# Altium PCB PiMX8MPIO_r0.1.PcbDoc (part 1 of 5) (continued)
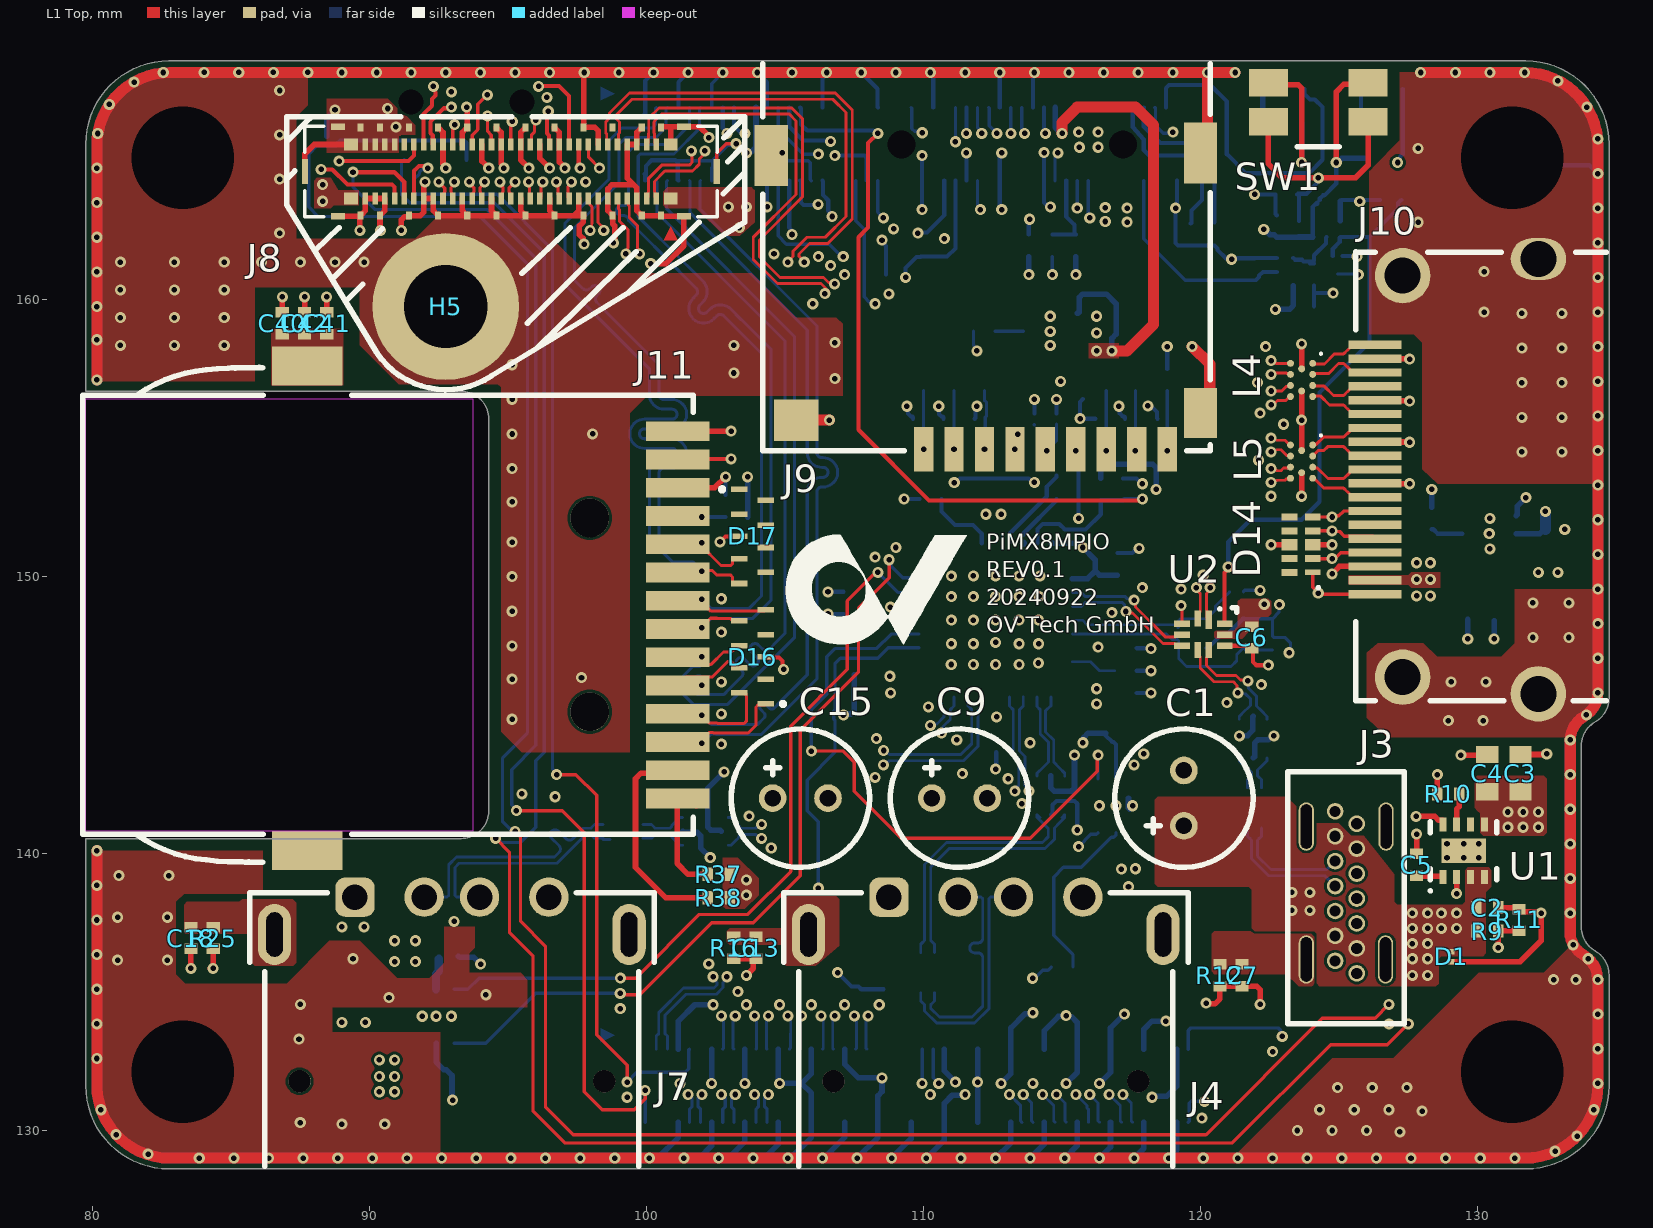
[diagram p0: L1 Top view]
## Footprints (in the part's own frame and the unit in brackets; to place one, negate y for a bottom-side part, rotate by r counter-clockwise, add the part's x,y. Pads: shape width x height; smd on the part's side, far side on the other; paste and mask are expansions set on the pad) (continued)
  L1 Top region: -10.9,-1.825 -11.4,-1.575 -11.4,-2.075
  body extent -11.3,-1.69 11.3,1.69, height 2.9
CAP_RADIAL_5X8MM [mm] "Radial_5x8mm"
  round 1 hole 0.6: 1(-1,0) 2(1,0)
  silkscreen extent -2.5,-2.5 2.5,2.5, body extent -2.74,-2.75 2.74,2.75, height 9.01
CAPC0603X03L [mm] "Chip Capacitor, 2-Leads, Body 0,60x0,30mm, IPC High Density"
  rect 0.27x0.3 smd paste-0.5: 1(-0.25,0) 2(0.25,0)
  body extent -0.3,-0.15 0.3,0.15, height 0.3
CAPC1005X06L [mm] "Chip Capacitor, 2-Leads, Body 1,00x0,50mm, IPC High Density"
  rect 0.38x0.48 smd: 1(-0.395,0) 2(0.395,0)
  body extent -0.5,-0.25 0.5,0.25, height 0.5
CAPC1608X10L [mm] "Chip Capacitor, 2-Leads, Body 1,60x0,80mm, IPC High Density"
  rect 0.63x0.8 smd: 1(-0.675,0) 2(0.675,0)
  body extent -0.8,-0.45 0.8,0.45, height 0.8
DFN36P62X33-2L [mm] "DFN, 2-Leads, Body 0,32x0,62mm, Pitch 0,36mm, IPC High Density"
  rect 0.2x0.25 smd paste-2539.97: 1(-0.178,0) 2(0.178,0)
  body extent -0.33,-0.18 0.33,0.18, height 0.33
DFN38P60X29-2L [mm] "DFN, 2-Leads, Body 0,30x0,60mm, Pitch 0,38mm, IPC High Density"
  rect 0.2x0.3 smd paste-2539.97 mask+0.05: 1(-0.19,0) 2(0.19,0)
  silkscreen extent -0.25,0.4 -0.15,0.5, body extent -0.31,-0.16 0.3,0.15, height 0.29
DFN65P100X50-2N [mm] "DFN, 2-Leads, Body 0,60x1,00mm, Pitch 0,65mm, IPC Medium Density"
  rect 0.4x0.7 smd: 1(-0.35,0) 2(0.35,0)
  silkscreen extent -0.55,0.65 -0.45,0.75, body extent -0.5,-0.3 0.5,0.3, height 0.5
DFN65P100X50-3L [mm] "DFN, 3-Leads, Body 0,60x1,00mm, Pitch 0,65mm, IPC High Density"
  rect 0.25x0.15 smd paste-2539.97 mask+0.05: 1(-0.325,0.175) 2(-0.325,-0.175)
  rect 0.25x0.5 smd paste-2539.97 mask+0.05: 3(0.325,0)
  silkscreen extent -0.57,0.67 -0.48,0.77, body extent -0.5,-0.3 0.5,0.3, height 0.38
ETH-RJ45-7498111120AR [mm] "LAN Transformer, body 21.84x15.65mm"
  rect 0.71x2.29 smd: 1(6.63,10.14) 2(5.61,10.14) 3(4.59,10.14) 4(3.57,10.14) 5(2.55,10.14) 6(1.53,10.14) 7(0.51,10.14) 8(-0.51,10.14) 9(-1.53,10.14) 10(-2.55,10.14) 11(-3.57,10.14) 12(-4.59,10.14) 13(-5.61,10.14) 14(-6.63,10.14)
  round 1.4 hole 1.4 unplated: MH1(-3.5,6.96) MH2(3.5,6.96)
  rect 1.4x2.54 smd: Shell(-8.984,-3.24) Shell(8.51,-3.24)
  Keep-Out Layer board cut-out: -7.81,-11.24 -7.81,2.73 7.81,2.73 7.81,-11.24
  silkscreen extent -8.93,-11.34 8.93,10.7, body extent -9.07,-11.24 9.07,11.24, height 10.1
"FSUSB42_UQFN10 1.4X1.8, 0.4P" [mm] "QFN, 10-Leads, Body 1,40x1,80mm, Pitch 0,40mm, IPC Low Density"
  rect 0.663x0.225 smd: 1(-0.537,0.2)
  rect 0.563x0.225 smd: 2(-0.587,-0.2) 6(0.55,0.2) 7(0.55,-0.2)
  rect 0.225x0.563 smd: 3(-0.4,-0.768) 4(0,-0.768) 5(0.4,-0.768) 8(0.4,0.768) 9(0,0.768) 10(-0.4,0.768)
  silkscreen extent -0.98,0.55 -0.82,1.2, body extent -0.77,-0.98 0.77,0.98, height 0.51
HDMI-1.4_SS-53000-001 [mm] "High Definition Multi Media Interface Connector"
  rect 0.3x1.9 smd: 1(4.75,4.25) 1(4.75,4.25) 1(4.75,4.25) 2(4.25,4.25) 3(3.75,4.25) 4(3.25,4.25) 5(2.75,4.25) 6(2.25,4.25) 7(1.75,4.25) 8(1.25,4.25) 9(0.75,4.25) 10(0.25,4.25) 11(-0.25,4.25) 12(-0.75,4.25) 13(-1.25,4.25) 14(-1.75,4.25) 15(-2.25,4.25) 16(-2.75,4.25) 17(-3.25,4.25) 18(-3.75,4.25) 19(-4.25,4.25)
  round 2 hole 1.3: SHD(-7.85,-1.65) SHD(-7.25,3.25) SHD(7.25,3.25)
  oval 1.5x2 hole 1.3: SHD(7.85,-1.65)
  silkscreen extent -8.1,-4.1 8.11,4.95, body extent -8.1,-5.17 8.1,4.93, height 6.18
"LED 0605_LTST-S270KRKT" [mm] "LED Side Mount 0605"
  rect 0.6x0.95 smd: 1(-0.8,0.05) 2(0.75,0.05)
  body extent -0.82,-0.23 0.83,0.98, height 0.6
"MICROSD CONNECTOR_MSD-4-A" [mm] "Micro SD Card Connector, 9 Positions, Connector and Ejector, Push In, Auto Eject Out, Surface Mount, 1.8 mm Height Above Board, Gold Flash"
  rect 0.7x1.6 smd: 1(2.25,5.5) 2(1.15,5.5) 3(0.05,5.5) 4(-1.05,5.5) 5(-2.15,5.5) 6(-3.25,5.5) 7(-4.35,5.5) 8(-5.45,5.5) 9(-6.55,5.5)
  rect 1.2x1.8 smd: 10(-7.75,4.2)
  rect 1.6x1.5 smd: 11(6.85,4.45)
  rect 1.2x2.2 smd: 12(-7.75,-5.2) 13(7.75,-5.1)
  round 0 hole 1: 19(-4.95,-5.5) 19(3.05,-5.5)
  silkscreen extent -8.1,-8.42 8.05,5.55, body extent -8.09,-9.5 8.06,5.55, height 1.86
NEXPERIA_PCMF2HDMI2S [mm] "Common-mode EMI filter for differential channels with ESD protection"
  round 0.25 smd: A1(-0.6,0.4) A2(-0.2,0.4) A3(0.2,0.4) A4(0.6,0.4) B1(-0.4,0) B2(0.4,0) C1(-0.6,-0.4) C2(-0.2,-0.4) C3(0.2,-0.4) C4(0.6,-0.4)
  silkscreen extent -0.97,0.67 -0.92,0.72, body extent -0.79,-0.59 0.78,0.58, height 0.6
PSON50P100X50-8L [mm] "PSON, 8-Leads, Body 1,95x1,00mm, Pitch 0,50mm, IPC High Density"
  rect 0.3x0.2 smd: 1(-0.29,0.75) 2(-0.29,0.25) 3(-0.29,-0.25) 4(-0.29,-0.75) 5(0.29,-0.75) 6(0.29,-0.25) 7(0.29,0.25) 8(0.29,0.75)
  body extent -0.53,-1 0.53,1, height 0.5
PSON50P140X100X50-6L [mm] "PSON, 6-Leads, Body 1,00x1,45mm, Pitch 0,50mm, IPC High Density"
  rect 0.4x0.3 smd: 1(-0.3,0.5) 2(-0.3,0) 3(-0.3,-0.5) 4(0.3,-0.5) 5(0.3,0) 6(0.3,0.5)
  silkscreen extent -0.5,0.95 -0.4,1.05, body extent -0.5,-0.72 0.5,0.72, height 0.46
QFN50P600X600X100_HS-37M [mm] "QFN, 36-Leads, Body 6,00x6,00mm, Pitch 0,50mm, Thermal Pad 3,70x3,70mm, IPC Low Density"
  oval 0.9x0.28 smd: 1(-2.775,2) 2(-2.775,1.5) 3(-2.775,1) 4(-2.775,0.5) 5(-2.775,0) 6(-2.775,-0.5) 7(-2.775,-1) 8(-2.775,-1.5) 9(-2.775,-2) 19(2.775,-2) 20(2.775,-1.5) 21(2.775,-1) 22(2.775,-0.5) 23(2.775,0) 24(2.775,0.5) 25(2.775,1) 26(2.775,1.5) 27(2.775,2)
  oval 0.28x0.9 smd: 10(-2,-2.775) 11(-1.5,-2.775) 12(-1,-2.775) 13(-0.5,-2.775) 14(0,-2.775) 15(0.5,-2.775) 16(1,-2.775) 17(1.5,-2.775) 18(2,-2.775) 28(2,2.775) 29(1.5,2.775) 30(1,2.775) 31(0.5,2.775) 32(0,2.775) 33(-0.5,2.775) 34(-1,2.775) 35(-1.5,2.775) 36(-2,2.775)
  rect 3.7x3.7 smd paste-10: 37(0,0)
  silkscreen extent -3.97,-3.2 3.2,3.2, body extent -3.1,-3.1 3.1,3.1, height 1
RESC0603X03L [mm] "Chip Resistor, 2-Leads, Body 0,60x0,30mm, IPC High Density"
  rect 0.27x0.3 smd paste-0.5: 1(-0.25,0) 2(0.25,0)
  body extent -0.3,-0.15 0.3,0.15, height 0.26
RESC1005X04L [mm] "Chip Resistor, 2-Leads, Body 1,00x0,53mm, IPC High Density"
  rect 0.38x0.48 smd: 1(-0.395,0) 2(0.395,0)
  body extent -0.53,-0.27 0.52,0.28, height 0.4
RESC1608X04L [mm] "Chip Resistor, 2-Leads, Body 1,60x0,80mm, IPC High Density"
  rect 0.6x0.8 smd: 1(-0.7,0) 2(0.7,0)
  silkscreen extent -0.1,-0.3 0.1,0.3, body extent -0.8,-0.4 0.8,0.4, height 0.45
SON50P200X80_HS-9N [mm] "SON, 8-Leads, Body 2,00x2,00mm, Pitch 0,50mm, Thermal Pad 1,60x0,69mm, IPC Medium Density"
  rect 0.5x0.25 smd: 1(-0.95,0.75) 2(-0.95,0.25) 3(-0.95,-0.25) 4(-0.95,-0.75) 5(0.95,-0.75) 6(0.95,-0.25) 7(0.95,0.25) 8(0.95,0.75)
  rect 0.9x1.6 smd paste-1: 9(0,0)
  silkscreen extent -1.5,-1.2 1.05,1.25, body extent -1,-1 1,1, height 0.77
SON65P200X80_HS-7N [mm] "SON, 6-Leads, Body 2,00x2,00mm, Pitch 0,65mm, Thermal Pad 1,60x0,69mm, IPC Medium Density"
  rect 0.45x0.3 smd: 1(-0.975,0.65) 2(-0.975,0) 3(-0.975,-0.65) 4(0.975,-0.65) 5(0.975,0) 6(0.975,0.65)
  rect 1x1.6 smd paste-1: 7(0,0)
  silkscreen extent -1.5,-1.2 1.05,1.25, body extent -1.05,-1.05 1.05,1.05, height 0.8
Spacer_SMD_M2x1_9774010243R [mm] "Würth Elektronik SMD Spacer M2 internal thread 6mm length"
  round 5.3 hole 3: MT(0,0)
  body extent -2.18,-2.16 2.17,2.16, height 1
Spacer_SMD_Ø2.7mmx3mm_9774030951#1 [mm] "SMT Steel Spacer Internal hole diameter 2.7mm non stop, height 3mm"
  round 6 / inner round 0 / far side round 0 hole 3.7 unplated: MT(0,0)
  body extent -2.55,-2.55 2.55,2.55, height 3
Spacer_SMD_Ø2.7mmx3mm_9774030951#2 [mm] "SMT Steel Spacer Internal hole diameter 2.7mm non stop, height 3mm"
  round 5.5 / inner round 0 / far side round 0 hole 3.7 unplated: MT(0,0)
  body extent -2.55,-2.55 2.55,2.55, height 3
SW_SLIDE-SWITCH_JS102000SAQN [mm]
  rect 0.8x0.8 smd: 1(-2.25,1.9) 2(0,1.9) 3(2.25,1.9)
  round 0 hole 0.9 unplated: 22(-2,-0.18) 22(2,-0.18)
  rect 1x1 smd: MT(-3.75,0) MT(3.75,0)
  silkscreen extent -3.9,-1.4 3.9,1.95, body extent -3.91,-2.87 3.91,1.94, height 0.8
SW_TACT_EVQ-P7J01P [mm] "Tactile Switch EVQ-P7J01P SMD"
  rect 1.4x1 smd: 1(-1.8,0.7) 1(1.8,0.7) 2(-1.8,-0.7) 2(1.8,-0.7)
  silkscreen extent -0.75,1.6 0.75,1.6, body extent -2.35,-2.1 2.35,1.59, height 1.35
TI_DQA_10_Pin [mm] "QFN, 10-Leads, Body 2,50x1,00mm, Pitch 0,50mm, IPC High Density"
  rect 0.2x0.565 smd: 1(-1,-0.4)
  rect 0.25x0.565 smd: 2(-0.5,-0.4) 4(0.5,-0.4) 5(1,-0.4) 6(1,0.435) 7(0.5,0.435) 9(-0.5,0.435) 10(-1,0.435)
  rect 0.4x0.565 smd: 3(0,-0.4) 8(0,0.435)
  silkscreen extent -1.6,-0.65 -1.5,-0.55, body extent -1.25,-0.5 1.25,0.5, height 0.55
"USB Type A - 614104190121" [mm] "USB 2.0 Type A Horizontal THT Short Type"
  rrect50% 1.42x1.42 hole 0.92: 1(-3.5,4.85)
  round 1.42 hole 0.92: 2(-1,4.85) 3(1,4.85) 4(3.5,4.85)
  round 0.8 hole 0.8 unplated: MH1(-5.5,-1.8) MH2(5.5,-1.8)
  oval 1.2x2.2 hole 0.6 slot 1.6 at 90 deg: Shell(-6.4,3.5) Shell(6.4,3.5)
  silkscreen extent -7.3,-4.86 7.3,5, body extent -7.3,-5 7.3,5, height 5.8
"USB TYPE C - 10151348-00011LF" [mm] "USB Type-C Connector"
  round 0.6 hole 0.4: A1(-0.39,-2.475) A4(-0.39,-1.575) A5(-0.39,-0.675) A6(-0.39,0.225) A7(-0.39,1.125) A9(-0.39,2.025) A12(-0.39,2.925) B1(0.39,2.475) B4(0.39,1.575) B5(0.39,0.675) B6(0.39,-0.225) B7(0.39,-1.125) B9(0.39,-2.025) B12(0.39,-2.925)
  oval 0.55x1.75 hole 0.4 slot 1.6 at 90 deg: SHD(-1.43,-2.425) SHD(-1.43,2.375) SHD(1.43,-2.425) SHD(1.45,2.375)
  silkscreen extent -2.1,-4.75 2.1,4.35, body extent -1.88,-10.53 1.88,4.12, height 9.05
WE-CNSW_0603 [mm] "SMT Common Mode Line Filter, 4-leads, body 1.60x0.85mm"
  rect 0.85x0.25 smd: 1(-0.725,0.25) 2(0.725,0.25) 3(0.725,-0.25) 4(-0.725,-0.25)
  body extent -0.8,-0.42 0.8,0.43, height 1.1
WE-TVS_DFN3810-9L [mm] "TVS Diode, package DFN3810-9L"
  rect 0.2x0.6 smd: 1(-1.7,-0.475) 2(-0.8,-0.475) 3(0,-0.475) 4(0.8,-0.475) 5(1.7,-0.475) 6(1.3,0.475) 7(0.4,0.475) 8(-0.4,0.475) 9(-1.3,0.475)
  silkscreen extent -1.77,-1.18 -1.63,-1.03, body extent -1.9,-0.5 1.9,0.5, height 0.5
WE-TVS_SOT563 [mm] "TVS Diode, package SOT563"
  rect 0.3x0.5 smd: 1(-0.5,-0.7) 2(0,-0.7) 3(0.5,-0.7) 4(0.5,0.7) 5(0,0.7) 6(-0.5,0.7)
  silkscreen extent -1.08,-0.77 -0.93,-0.63, body extent -0.8,-0.8 0.8,0.8, height 0.54
XTAL_ECX-1637B_2X1.6X0.5 [mm] "CX-1637B MHz RANGE CRYSTAL UNIT"
  rect 0.85x0.75 smd: 1(-0.675,-0.525) 2(0.675,-0.525) 3(0.675,0.525) 4(-0.675,0.525)
  body extent -1,-0.8 1,0.8, height 0.5

## Part data
C1 C9 C15: library part CAP_POLY_100µ_10V, "Aluminium-Polymer capacitor  radial 10VDC", Manufacturer 1=KEMET, Manufacturer 1 Prt. Nr.=A750BK107M1AAAE024
C2 C6 C7 C11 C12 C13 C17 C18 C19 C20 C21 C22 C23 C26 C28 C29 C31 C32 C33 C34 C37 C41 C42: library part CAP_0402_100nF_16V, "Multilayer Ceramic Capacitors MLCC - SMD/SMT 0402 16VDC", Manufacturer 1="KYOCERA AVX", Manufacturer 1 Prt. Nr.=KGM05AR71C104KH, Manufacturer 2="Taiyo Yuden", Manufacturer 2 Prt. Nr.=EMK105B7104KV-F
C3 C4 C8 C14: library part CAP_0603_10µ_25V, "Multilayer Ceramic Capacitors MLCC - SMD/SMT 0603 25VDC", Manufacturer 1="Murata Electronics", Manufacturer 1 Prt. Nr.=GRM188R61E106KA73J, Manufacturer 2="Samsung Electro-Mechanics", Manufacturer 2 Prt. Nr.=CL10A106MA8NRNC
C5: library part CAP_0402_13pF_50V, "Multilayer Ceramic Capacitors MLCC - SMD/SMT 0402 50VDC", Manufacturer 1="Murata Electronics", Manufacturer 1 Prt. Nr.=GRT1555C1H130FA02D, Manufacturer 2=YAGEO, Manufacturer 2 Prt. Nr.=CQ0402FRNPO9BN130
C10 C16: library part CAP_0402_1.5nF_50V, "Multilayer Ceramic Capacitors MLCC - SMD/SMT 0402 50VDC", Manufacturer 1="Murata Electronics", Manufacturer 1 Prt. Nr.=GRM1555C1H152JA01D, Manufacturer 2=KEMET, Manufacturer 2 Prt. Nr.=C0402C152J5GACTU
C24 C25: library part CAP_0201_10pF_25V, "Multilayer Ceramic Capacitors MLCC - SMD/SMT 0201 25VDC", Manufacturer 1="Murata Electronics", Manufacturer 1 Prt. Nr.=GJM0335C1E100JB01D, Manufacturer 2=YAGEO, Manufacturer 2 Prt. Nr.=CQ0201JRNPO8BN100
C27: library part CAP_0402_4.7µ_6.3V, "Multilayer Ceramic Capacitors MLCC - SMD/SMT 0402 6.3VDC", Manufacturer 1="Murata Electronics", Manufacturer 1 Prt. Nr.=GRM155R60J475ME47D, Manufacturer 2="Taiyo Yuden", Manufacturer 2 Prt. Nr.=JMK105BC6475MV-F
C30 C36 C38: library part CAP_0402_1µ_25V, "Multilayer Ceramic Capacitors MLCC - SMD/SMT 0402 25VDC", Manufacturer 1="Murata Electronics", Manufacturer 1 Prt. Nr.=GRM155R61E105KE11D, Manufacturer 2=Walsin, Manufacturer 2 Prt. Nr.=0402X105K250CT
C35: library part CAP_0402_10µ_6.3V, "Multilayer Ceramic Capacitors MLCC - SMD/SMT 0402 6.3VDC", Manufacturer 1="Murata Electronics", Manufacturer 1 Prt. Nr.=GRM155C80J106ME11J, Manufacturer 2="Taiyo Yuden", Manufacturer 2 Prt. Nr.=JMK105CBJ106MV-F
C39: library part CAP_0402_10nF_50V, "Multilayer Ceramic Capacitors MLCC - SMD/SMT 0402 50VDC", Manufacturer 1="Murata Electronics", Manufacturer 1 Prt. Nr.=GCM155R71H103KA55J, Manufacturer 2=KEMET, Manufacturer 2 Prt. Nr.=C0402C103K5RAC7411
C40: library part CAP_0402_4.7µ_10V, "Multilayer Ceramic Capacitors MLCC - SMD/SMT 0402 10VDC", Manufacturer 1="Murata Electronics", Manufacturer 1 Prt. Nr.=GRM155R61A475MEAAD, Manufacturer 2="Taiyo Yuden", Manufacturer 2 Prt. Nr.=MSASL105BB5475MFNB33
D1 D2: library part "ESD Protection Diode_5.3V_ESD8472MUT5G", "ESD Diode Suppressors Bidirectional 5V working voltage X3DFN-2 Package", Manufacturer 1=Onsemi, Manufacturer 1 Prt. Nr.=ESD8472MUT5G
D3 D4 D5: library part "ESD 5.5V_82400152", "WE-TVS TVS Diode – High Speed / Series", Manufacturer 1="Würth Elektronik", Manufacturer 1 Prt. Nr.=82400152
D6 D7 D8 D9 D10 D11 D12 D13: library part "ESD Protection Diode_3.6V_TPD1E6B06", "6pF ±5V ±15kV ESD protection diode in 0201 package", Manufacturer 1="Texas Instruments", Manufacturer 1 Prt. Nr.=TPD1E6B06
D14: library part ESD_HI-SPEED_ARRAY_TPD4E05U06, "PDxE05U06 1, 4, 6 Channel ESD Protection Device for Super-Speed (Up to 6 Gbps) Interface", Manufacturer 1="Texas Instruments", Manufacturer 1 Prt. Nr.=TPD4E05U06
D15: library part "ESD 5.5V_PESD5V5C1UL", "ESD Diode 5.5V working voltage DFN1006-2", Manufacturer 1=Nexperia, Manufacturer 1 Prt. Nr.=PESD5V5C1UL
D16 D17: library part "ESD 5.5V_824014885", "WE-TVS TVS Diode – Super Speed Series", Manufacturer 1="Würth Elektronik", Manufacturer 1 Prt. Nr.=824014885
H1 H2 H3 H4: library part Spacer_SMD_Ø2.7mm_internal_3mm, "Würth Elektronik SMD Spacer Ø2.7mm 3mm length", Manufacturer 1="Würth Elektronik", Manufacturer 1 Prt. Nr.=9774030951R
H5: library part Spacer_SMD_M2_internal_1mm, "Würth Elektronik SMD Spacer M2 1mm length", Manufacturer 1="Würth Elektronik", Manufacturer 1 Prt. Nr.=9774010243R
J1 J2: library part "Board to Board Connector Receptable_BTB_100P_04mm_DF40HC(3.0)-100DS-0.4V", "Board to Board connector 100Pol Stacking Header Receptable  0.4mm Pitch", Manufacturer 1="Hirose Connector", Manufacturer 1 Prt. Nr.=DF40HC(3.0)-100DS-0.4V
J3: library part "USB 2.0 Type-C Receptacle_10151348-00011LF", "USB 2.0 C Receptacle Upright Through Hole 14P G/F", Manufacturer 1=HCTL, Manufacturer 1 Prt. Nr.=HC018-1A1H1A103-0HR, Distributor 1=LCSC
J4 J7: library part "USB Type A - 614104190121", "WR-COM USB 2.0 Type A Horizontal THT Short Type", Manufacturer 1="Würth Elektronik", Manufacturer Part Number1=614104190121
J8: library part "Board to Board Connector_62pol_20698-062E-01", "Board to Board connector 62Pol FPC Header 0.35mm Pitch", Manufacturer 1=I-PEX, Manufacturer 1 Prt. Nr.=20698-062E-01
J9: library part "Micro SD Connector_MSD-4-A", "Micro SD Card Connector, 9 Positions, Connector and Ejector, Push In, Auto Eject Out, Surface Mount, 1.8 mm Height Above Board, Gold Flash", Manufacturer 1=XUNPU, Manufacturer 1 Prt. Nr.=TF-115
J10: library part "HDMI Receptacle_SS-53000-001", "CONN RCPT HDMI 1.4 R/A NO FLANGE", Manufacturer 1="Stewart Connector", Manufacturer 1 Prt. Nr.=SS-53000-001
J11: library part ETH-RJ45_7498111120AR, "Rj45 Conn, Jack, 8P8C, 1Port, Smt", Manufacturer 1="Würth Elektronik", Manufacturer Part Number1=7498111120AR
L1 L2 L3: library part "Common Mode Choke_744230900", "WE-CNSW SMT Common Mode / Line Filter", Manufacturer 1="Würth Elektronik", Manufacturer 1 Prt. Nr.=744230900
L4 L5: library part "Common Mode Choke 2 Channel with ESD prot_PCMF2HDMI2S", "Common-mode EMI filter for differential channels with / integrated ESD protection", Manufacturer 1=Nexperia, Manufacturer 1 Prt. Nr.=PCMF2HDMI2S
LED1: library part "LED Green Sideview_LTST-S270KGKT", "Standard LEDs 0605 Sideview - SMD Green Clear 571nm", Manufacturer 1=Lite-On, Manufacturer 1 Prt. Nr.=LTST-S270KGKT
LED2: library part "LED Red Sideview_LTST-S270KRKT", "Standard LEDs 0605 Sideview - SMD Red Clear 631nm", Manufacturer 1=Lite-On, Manufacturer 1 Prt. Nr.=LTST-S270KRKT
Q1: library part "N-Channel MOSFET_SSM3K15ACT,L3F", "MOSFET 30V SGL N-CH TRENCHMOS Logic Level", Manufacturer 1=Toshiba, Manufacturer 1 Prt. Nr.=SSM3K15ACT,L3F
R1: library part RES_0603_64.9R_1%, "Thick Film Resistors - SMD 64.9OHM 1%", Manufacturer 1="Vishay / Dale", Manufacturer 1 Prt. Nr.=CRCW060364R9FKEA, Manufacturer 2=Panasonic, Manufacturer 2 Prt. Nr.=ERJ-3EKF64R9V
R2 R3 R4 R5 R6 R7 R36: library part RES_0402_0R_1%, "Thick Film Resistors - SMD 0OHM 1%", Manufacturer 1=Bourns, Manufacturer 1 Prt. Nr.=CR0402AJ/-000GAS, Manufacturer 2=YAGEO, Manufacturer 2 Prt. Nr.=AC0402FR-070RL
R8: library part RES_0603_210R_1%, "Thick Film Resistors - SMD 210OHM 1%", Manufacturer 1=Bourns, Manufacturer 1 Prt. Nr.=CR0603-FX-2100ELF, Manufacturer 2="Vishay / Dale", Manufacturer 2 Prt. Nr.=CRCW0603210RFKEA
R9 R11: library part RES_0402_47k_1%, "Thick Film Resistors - SMD 47k 1%", Manufacturer 1="Vishay / Dale", Manufacturer 1 Prt. Nr.=CRCW040247K0FKEDC, Manufacturer 2=YAGEO, Manufacturer 2 Prt. Nr.=RT0402FRE0747KL
R10: library part RES_0402_620R_1%, "Thick Film Resistors - SMD 620R 1%", Manufacturer 1=Bourns, Manufacturer 1 Prt. Nr.=CR0402-FX-6200GLF, Manufacturer 2="Vishay / Dale", Manufacturer 2 Prt. Nr.=CRCW0402620RFKTD
R12 R16 R25: library part RES_0402_330R_1%, "Thick Film Resistors - SMD 330 Ohm 1%", Manufacturer 1="Vishay / Dale", Manufacturer 1 Prt. Nr.=CRCW0402330RFKED, Manufacturer 2=Bourns, Manufacturer 2 Prt. Nr.=CR0402-FX-3300GLF
R13 R20 R35: library part RES_0402_110k_1%, "Thick Film Resistors - SMD 110k 1%", Manufacturer 1="Würth Elektronik", Manufacturer 1 Prt. Nr.=560112110186, Manufacturer 2=Bourns, Manufacturer 2 Prt. Nr.=CR0402-FX-1103GLF
R14 R15 R17 R18 R19 R24 R28 R29 R30 R31 R32 R34: library part RES_0402_10k_1%, "Thick Film Resistors - SMD 10k 1%", Manufacturer 1="Vishay / Dale", Manufacturer 1 Prt. Nr.=CRCW040210K0FKEDC, Manufacturer 2=YAGEO, Manufacturer 2 Prt. Nr.=RT0402FRE0710KL
R21 R22 R23: library part RES_0402_33k_1%, "Thick Film Resistors - SMD 33k 1%", Manufacturer 1="Vishay / Dale", Manufacturer 1 Prt. Nr.=CRCW040233K0FKEDC, Manufacturer 2=YAGEO, Manufacturer 2 Prt. Nr.=RC0402FR-1333KL
R26: library part RES_0201_510k_1%, "Thick Film Resistors - SMD 510 kOHM 1%", Manufacturer 1=Yageo, Manufacturer 1 Prt. Nr.=RC0201FR-07510KL, Manufacturer 2="Vishay / Dale", Manufacturer 2 Prt. Nr.=CRCW0201510KFNED
R27: library part RES_0402_12k_1%, "Thick Film Resistors - SMD 12kOhm 1%", Manufacturer 1="Vishay / Dale", Manufacturer 1 Prt. Nr.=CRCW040212K0FKED, Manufacturer 2=YAGEO, Manufacturer 2 Prt. Nr.=AR0402FR-0712KL
R33: library part RES_0402_180k_1%, "Thick Film Resistors - SMD 180k 1%", Manufacturer 1=Bourns, Manufacturer 1 Prt. Nr.=CR0402-JW-184GLF, Manufacturer 2="TE Connectivity / Holsworthy", Manufacturer 2 Prt. Nr.=CRGCQ0402F180K
R37 R38: library part RES_0402_1k_1%, "Thick Film Resistors - SMD 1k 1%", Manufacturer 1="Vishay / Dale", Manufacturer 1 Prt. Nr.=CRCW04021K00FKEDC, Manufacturer 2=YAGEO, Manufacturer 2 Prt. Nr.=RT0402FRE131KL
SW1: library part SW_TACTILE_EVQ-P7J01P, "SMD Switch Tactile SMD 3.2mm X 2.9mm", Manufacturer 1=Panasonic, Manufacturer 1 Prt. Nr.=EVQ-P7J01P
SW_ON: library part SW_SLIDE-SWITCH_JS102000SAQN, "Sub-Miniature Slide Switch JS102000SAQN", Manufacturer 1="C&K Switches", Manufacturer 1 Prt. Nr.=JS102000SAQN
U1: library part "5V 4A eFuse_TPS259533DSG", "PS2595xx 2.7 V to 18 V, 4-A, 34-mΩ eFuse With Fast Overvoltage Protection", Manufacturer 1="Texas Instruments", Manufacturer 1 Prt. Nr.=TPS259533DSG
U2: library part "USB Switch_FSUSB42UMX", "Low-Power, Two-Port, High-Speed, USB2.0 (480Mbps) UART Switch", Manufacturer 1=ONSEMI, Manufacturer 1 Prt. Nr.=FSUSB42UMX
U3 U5 U6 U7: library part "Power Switch with programmable current limit TPS25221DRVR", "0.275-2.7A adj. ILIMIT, 2.5-5.5V, 70mΩ USB power switch, active-high, reverse blocking", Manufacturer 1="Texas Instruments", Manufacturer 1 Prt. Nr.=TPS25221DRVR
U4: library part "USB 4-Port USB 2.0 Hi-Speed Hub Controller USB2514B", "4-Port USB 2.0 Hi-Speed Hub Controller", Manufacturer 1=Microchip, Manufacturer 1 Prt. Nr.=USB2514B-I/M2
U8: library part D-FLOP_SMG-W-2,0x1,2x1,25-AU, "D-type flip-flop with differential output and async set- and reset input", Manufacturer 1=Nexperia, Manufacturer 1 Prt. Nr.=74AUP1G74GT,115
U9: library part Inverter_74AUP1G14GM,115, "Single Unbuffered Inverter 74AUP1G14GM,115", Manufacturer 1=Nexperia, Manufacturer 1 Prt. Nr.=74AUP1G14GM,115
XTAL1: library part Crystal_ECX-1637B_24MHz, "SMD Crystal 24 MHz 12pF", Manufacturer 1=ECS, Manufacturer 1 Prt. Nr.=ECS-240-12-37B-CKY-TR

## Via types
v1: diameter 0.4, hole 0.2, L1 Top to L8 SIG, tented both sides, 700 vias

## Nets (pads, with @x,y where several pads share a name; then routed paths per layer and width w, separated by ;. In a path a pad name is that pad's centre, name@x,y a point inside that pad or via, vN(x,y) a via of type N, cw(c..) or ccw(c..) an arc to the next point about the centre after c; other vN are vias at no path point)
1V8: J1.88 J1.90 J8.P3 R5.2 | length 37
  L5 (PWR) w0.123: 110.1,164.496 113.349,161.248 114.299,161.248 v1(114.65,160.896)
  L5 (PWR) w0.5: v1(88.3,163.546) 99.15,163.546 100.1,164.496 110.1,164.496 116.75,164.496 117.35,163.896 v1(117.35,163.296)
  L8 SIG w0.123: v1(114.65,160.896) R5.2@114.65,161.551
  other v1: 117.35,162.796 88.3,164.146
3V3: C6.1 C12.1 C20.1 C21.1 C22.1 C23.1 C26.1 C27.1 C28.1 C29.1 C30.1 C31.1 C32.1 C33.1 C34.1 C39.1 J1.84 J1.86 J8.P1 R1.1 R3.1 R4.2 R8.1 R14.1 R24.2 R34.2 R36.2 R37.2 R38.2 SW1.2 U2.9 U4.5 U4.10 U4.14 U4.15 U4.23 U4.27 U4.29 U4.34 U4.36 U8.2 U8.7 U8.8 U9.6 | length 27.4
  L1 Top w0.2: SW1.2@122.45,167.82 122.524,167.746 123.533,167.746 123.65,167.629 v1(123.65,164.946) ; v1(124.9,164.946) 124.9,167.496 125.167,167.764 125.993,167.764 SW1.2@126.05,167.82
  L8 SIG w0.15: R34.2@118.8,157.491 118.8,158.146 v1@118.85,158.196 ; U8.7@124.05,162.256 U8.2@124.05,162.836 124.05,163.339 124.167,163.456 124.215,163.456 C12.1@124.215,163.506 ; C12.1@124.305,163.596 124.305,163.646 124.42,163.761 124.47,163.761 124.9,164.191 v1(124.9,164.946)
  L8 SIG w0.2: R36.2@103.645,152.146 103.645,153.591 v1(103.65,153.596) ; v1(113.8,160.896) R3.1@113.8,161.551 ; U4.27@114.6,151.196 115.546,151.196 115.696,151.046 v1(115.75,151.046) 116.2,150.596 116.2,150.196 ; U4.29@115.375,149.921 115.925,149.921 116.2,150.196 ; v1(115.5,160.896) R4.2@115.5,161.551 ; R24.2@116.4,153.541 116.4,153.929 116.517,154.046 118.283,154.046 118.4,153.929 v1(118.4,153.146) ; C32.1@117,150.051 116.345,150.051 116.2,150.196 ; v1(122.284,162.53) 122.312,162.53 122.501,162.341 122.66,162.341 R14.1@122.75,162.251 U8.8@123.55,162.251 ; v1(122.7,159.646) 123.215,159.646 123.305,159.736 C26.1@123.305,159.746 ; C26.1@123.35,159.791 U9.6@123.35,160.496 ; U8.8@123.55,162.256 U8.7@124.05,162.256 ; v1(123.65,164.946) R8.1@123.65,166.346 ; v1(124.9,164.946) 124.954,164.946 125.104,165.096 R1.1@126.021,165.096
  other v1: 103.6,138.496 103.6,139.046 112.638,144.929 116.25,145.396 108.808,145.796 116.25,145.946 108.782,146.396 116.3,147.446 108.4,148.496 108.8,148.896 122.3,148.996 112.25,152.246 112.8,152.246 118.8,158.296 103.35,162.596 116.56,162.816 116.56,163.316 102.95,163.346 103.6,163.346
5V0: C3.1 C4.1 C8.1 C14.1 C38.1 J1.77 J1.79 J1.81 J1.83 J1.85 J1.87 U1.5 U3.6 U5.6 U7.4 U7.6 | length 84
  L5 (PWR) w1: v1(90.9,131.946) 91.85,132.896 100.214,132.896 100.8,133.482 100.8,135.996 101.95,137.146 103.4,137.146 106.85,140.596 113.55,140.596 115.5,142.546 117.364,142.546 117.95,143.132 117.95,143.946 122.1,148.096 128.217,148.096 129.45,149.329 ; 115.9,165.746 115.9,166.311 116.886,167.296 128.064,167.296 128.65,166.711 128.65,162.214 129.45,161.414 129.45,149.329 ; v1(132.9,150.146) v1(132.2,150.146) 130.267,150.146 129.45,149.329
  L8 SIG w0.2: U7.4@131.4,152.196 131.433,152.229 131.433,152.529 v1(131.75,152.846)
  other v1: 90.35,131.396 90.9,131.396 90.35,131.946 90.35,132.546 90.9,132.546 131.1,140.946 131.65,140.946 132.2,140.946 131.1,141.496 131.65,141.496 132.2,141.496 117.6,143.196 117.95,143.596 116.3,165.496 115.628,165.498 115.6,166.046 116.3,166.046
5V0_dVdt: C5.1 U1.1 | length 1
  L1 Top w0.2: C5.1@127.8,139.201 127.825,139.176 U1.1@128.75,139.176
5V0_ILIM: R10.2 U1.7 | length 1.1
  L1 Top w0.2: U1.7@129.25,141.046 129.25,141.596 129.345,141.691 R10.2@129.345,142.146
ACTIVITY_nLED_EXT: J1.21 LED1.1 | length 30.7
  L6 SIG w0.2: v1(103.611,165.296) 105.611,167.296 126.2,167.296 127.115,166.382 v1(127.115,164.946)
  L8 SIG w0.15: v1(127.115,164.946) 127.115,165.014 127.208,165.107 127.208,165.154 127.3,165.246 LED1.1@127.3,167.596
  L8 SIG w0.2: v1(103.611,165.296) 103.649,165.335 103.786,165.335 103.95,165.499 J1.21@103.95,166.932
ALERT#_1P8: J1.28 J8.16 | length 11.6
  L1 Top w0.12: J8.16@97.9,165.596 97.9,165.146 v1(98.3,164.746)
  L6 SIG w0.12: v1(98.3,164.746) 98.354,164.693 98.504,164.693 101.65,161.546 103.5,161.546 104.3,162.346 v1(105.25,162.346)
  L8 SIG w0.15: J1.28@105.15,164.292 105.15,162.596 105.202,162.544 105.202,162.394 v1(105.25,162.346)
CAM_GPIO: J1.34 J8.48 | length 18.7
  L1 Top w0.15: J8.48@92.3,165.596 92.282,165.615 92.282,165.921 92.2,166.003 92.2,166.42 92.688,166.908 92.911,166.908 v1(92.95,166.946)
  L6 SIG w0.12: v1(92.95,166.946) 93.85,166.046 99.4,166.046 101.1,164.346 104.75,164.346 106.149,162.947 106.651,162.947 v1(106.7,162.996)
  L8 SIG w0.15: J1.34@106.35,164.292 106.375,164.267 106.375,163.774 106.485,163.664 106.485,163.654 106.558,163.581 106.558,163.206 106.7,163.064 v1(106.7,162.996)
CAM_I2C_SCL: J1.82 J8.52 | length 34.2
  L1 Top w0.15: v1(88.9,164.996) 91.4,164.996 91.6,165.196 J8.52@91.6,165.596
  L6 SIG w0.12: v1(88.9,164.996) 88.954,165.05 89.104,165.05 89.5,165.446 98.95,165.446 100.7,163.696 104.5,163.696 105.85,162.346 107.2,162.346 108.2,161.346 114.4,161.346 v1(116,162.946)
  L8 SIG w0.123: J1.82@115.95,164.292 115.95,162.996 v1(116,162.946)
CAM_I2C_SDA: J1.80 J8.50 | length 30.4
  L1 Top w0.15: J8.50@91.95,165.596 91.95,166.696 92.25,166.996 92.25,167.234 92.376,167.359 92.376,167.484
  L6 SIG w0.12: v1(92.3,167.696) 92.348,167.649 92.348,167.486 92.35,167.484 92.35,166.296 92.89,165.756 99.19,165.756 100.95,163.996 104.65,163.996 106,162.646 107.4,162.646 108.4,161.646 114.05,161.646 115.496,163.093 115.496,163.243 v1(115.55,163.296)
  L8 SIG w0.123: v1(115.55,163.296) J1.80@115.55,164.292
CAMERA_EN: J1.97
CFG_SEL0: R22.2 U4.24 | length 3.1
  L8 SIG w0.15: U4.24@113.125,151.24 113.125,151.566 113.165,151.607 113.165,151.611 114.45,152.896 114.45,153.241 114.805,153.596 R22.2@114.805,153.646
CFG_SEL1: R21.2 U4.25 | length 1.8
  L8 SIG w0.15: U4.25@113.6,151.496 113.6,151.541 114.805,152.746 R21.2@114.805,152.796
  L8 SIG w0.254: U4.25@113.6,151.196 U4.25@113.605,151.201
CON_HDMI_CLK_ESD_N: J10.12 L5.A4 | length 2.5
  L1 Top w0.109: L5.A4@124.05,153.546 124.088,153.546 124.159,153.476 124.167,153.476 124.455,153.188 124.987,153.188 125.17,153.188 125.29,153.068 125.295,153.068 125.5,152.862 J10.12@126.3,152.862
CON_HDMI_CLK_ESD_P: J10.10 L5.A3 | length 2.6
  L1 Top w0.109: L5.A3@124.05,153.946 124.077,153.919 124.217,153.919 124.6,153.537 124.843,153.537 125.17,153.537 125.29,153.657 125.295,153.657 125.5,153.862 J10.10@126.3,153.862
CON_HDMI_ESD_TX1_N: J10.6 L4.A4 | length 2.5
  L1 Top w0.109: L4.A4@124.05,156.496 124.076,156.522 124.32,156.522 124.654,156.188 125.17,156.188 125.29,156.068 125.295,156.068 125.5,155.862 J10.6@126.3,155.862
CON_HDMI_ESD_TX1_P: J10.4 L4.A3 | length 2.5
  L1 Top w0.109: L4.A3@124.05,156.896 124.076,156.871 124.464,156.871 124.798,156.537 125.17,156.537 125.29,156.657 125.294,156.657 125.5,156.862 J10.4@126.3,156.862
CON_HDMI_ESD_TX2_N: J10.3 L4.A2 | length 2.5
  L1 Top w0.109: L4.A2@124.05,157.296 124.076,157.322 124.619,157.322 124.985,157.688 125.17,157.688 125.29,157.568 125.294,157.568 125.5,157.362 J10.3@126.3,157.362
CON_HDMI_ESD_TX2_P: J10.1 L4.A1 | length 2.5
  L1 Top w0.109: L4.A1@124.05,157.696 124.076,157.671 124.475,157.671 124.841,158.037 125.17,158.037 125.29,158.157 125.295,158.157 125.5,158.362 J10.1@126.3,158.362
CON_HDMI_TX0_ESD_N: J10.9 L5.A2 | length 2.5
  L1 Top w0.109: L5.A2@124.05,154.346 124.25,154.546 124.45,154.546 124.592,154.688 125.17,154.688 125.29,154.568 125.295,154.568 125.5,154.362 J10.9@126.3,154.362